# KiCad board LightBlue.kicad_pcb (continued)
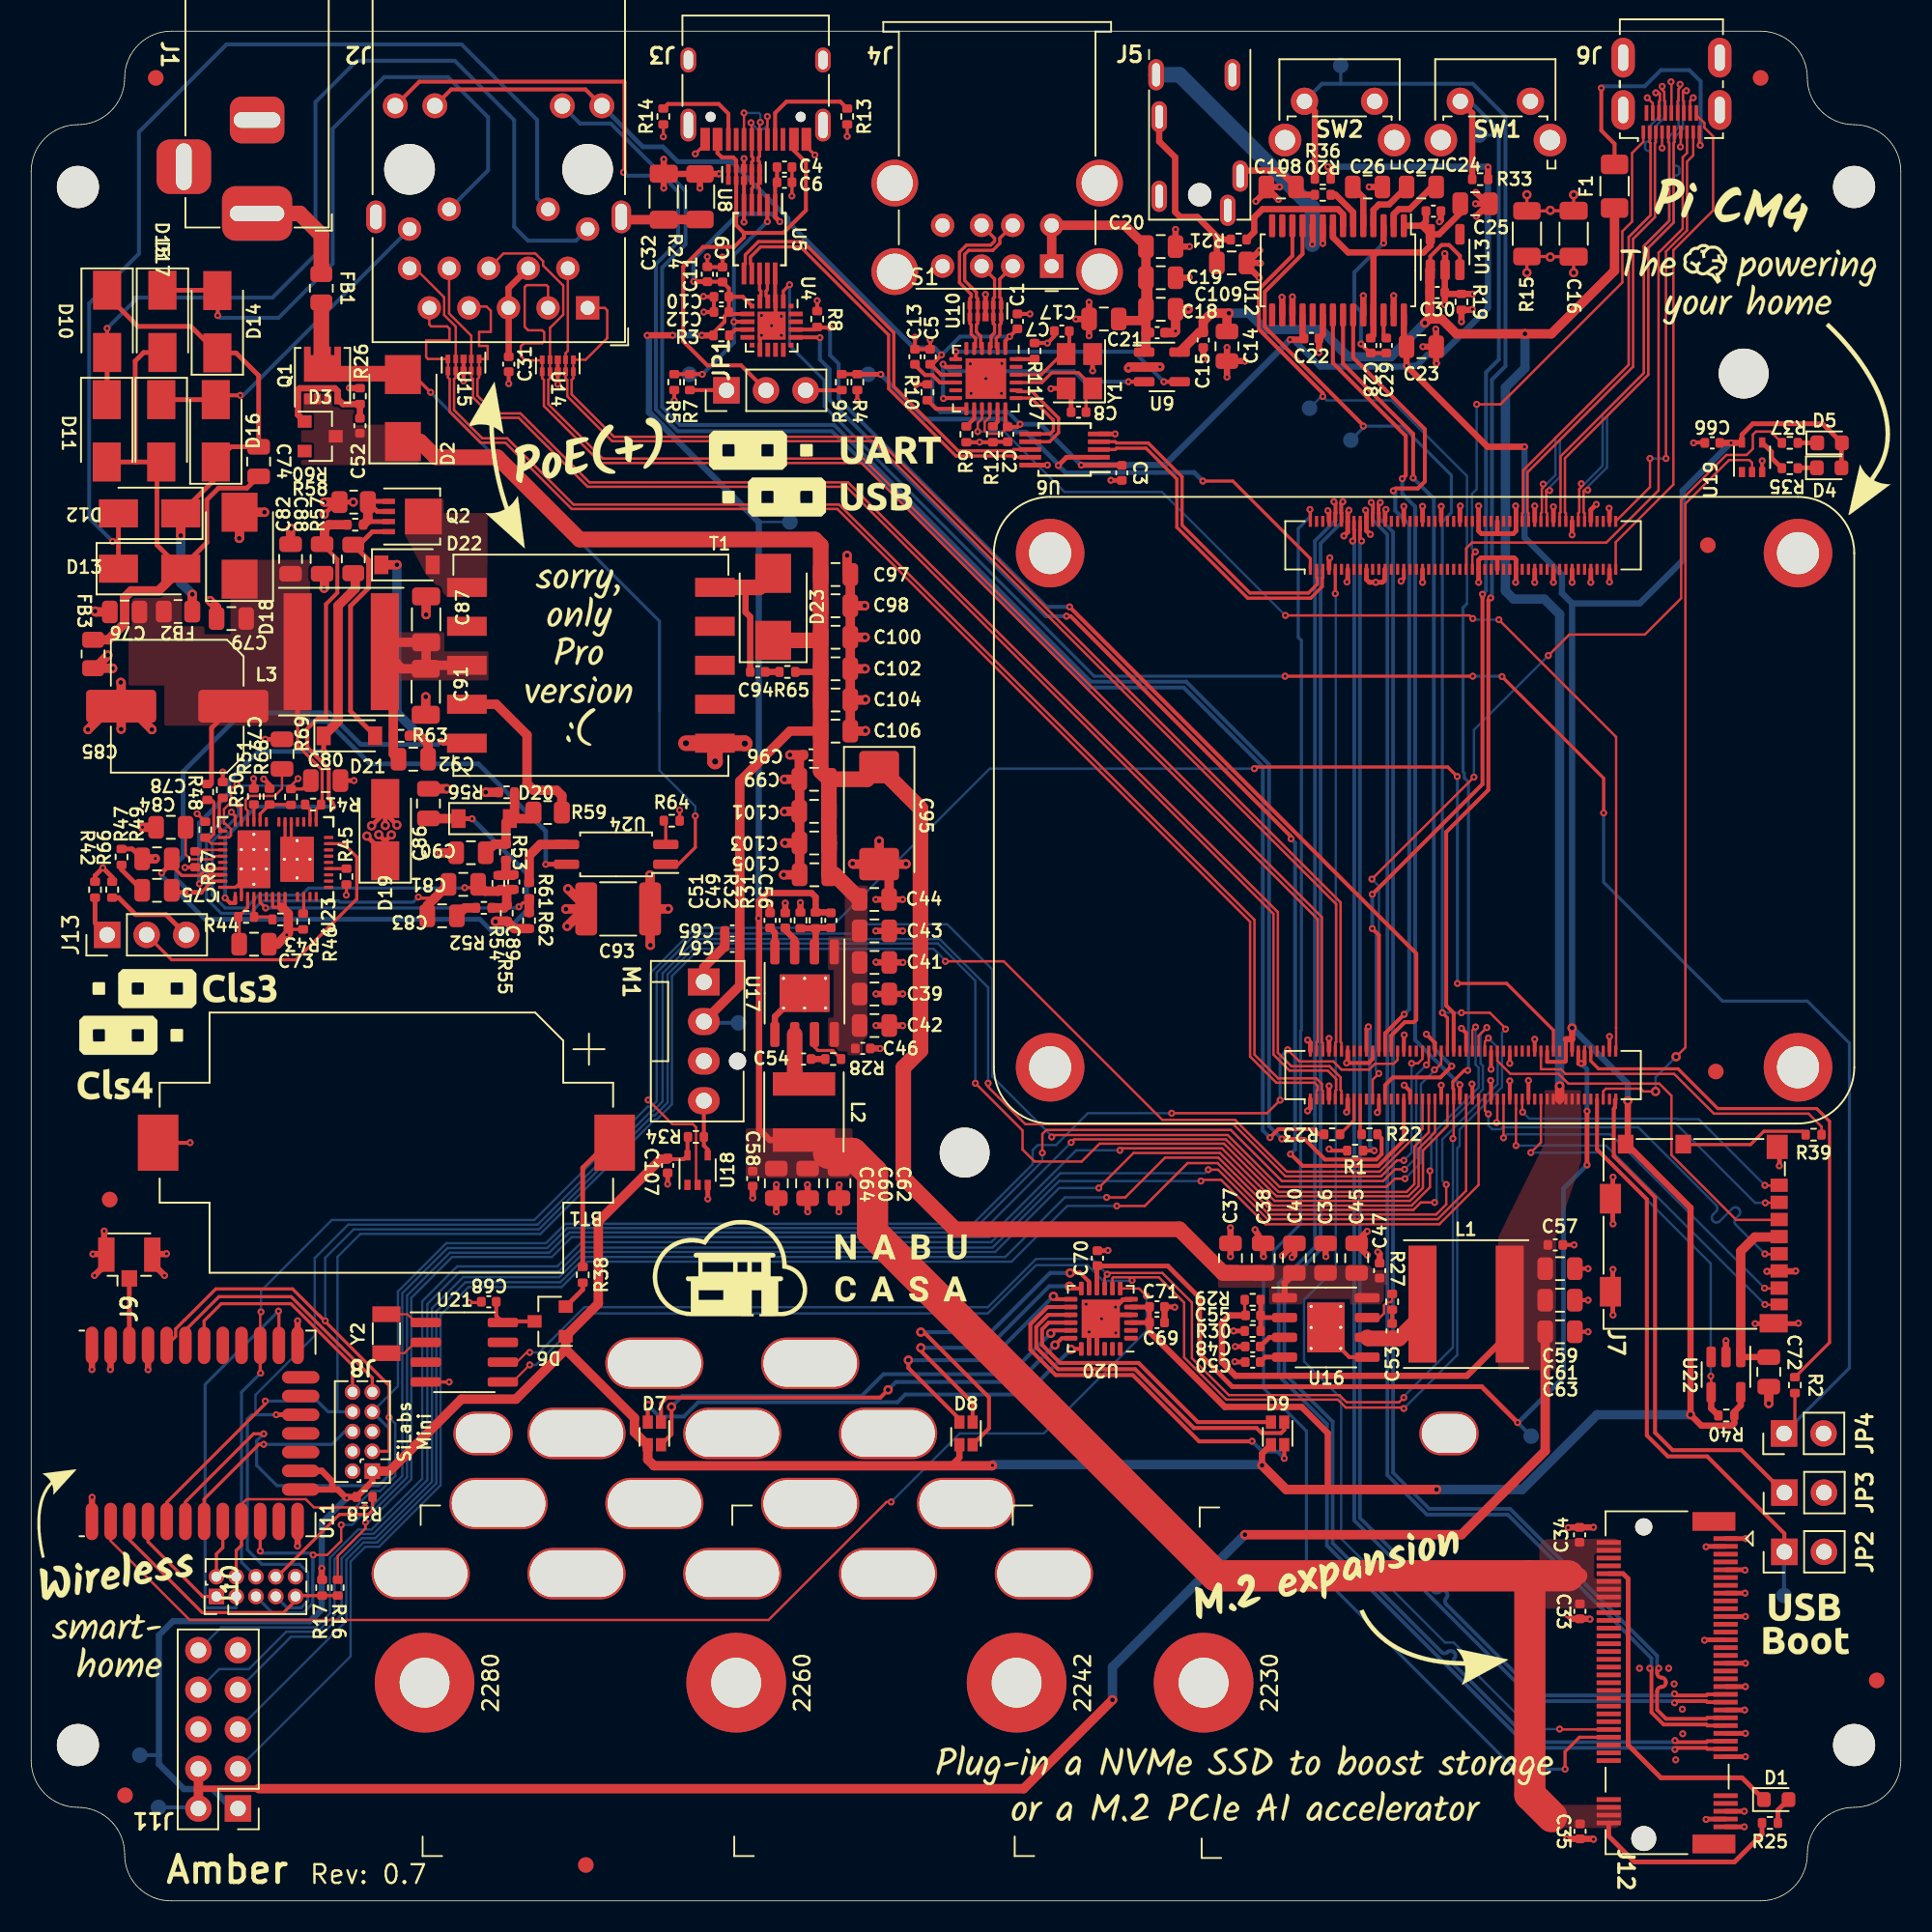
[diagram p0: board, top side]
## Footprints (pads in the part's own frame, mm; a bottom-side part is the same pattern mirrored in y, then rotated) (continued)
  rrect 3.7x2.1 smd: 46(0,1.4)
  rrect 3.7x2.1 smd far side: 46(0,1.4)
  rrect 2.9x2.15 smd: 47(0,-1.375)
  rrect 2.9x2.15 smd far side: 47(0,-1.375)
Transformer_Pulse_PA2467NL
  rect 2.54x1.22 smd: 1(-7.96,-5) 2(-7.96,-2.5) 3(-7.96,0) 4(-7.96,2.5) 5(-7.96,5) 6(7.96,5) 7(7.96,2.5) 8(7.96,0) 9(7.96,-2.5) 10(7.96,-5)
TSSOP-28_4.4x9.7mm_P0.65mm
  rrect 1.475x0.4 smd: 1(-2.862,4.225) 2(-2.862,3.575) 3(-2.862,2.925) 4(-2.862,2.275) 5(-2.862,1.625) 6(-2.862,0.975) 7(-2.862,0.325) 8(-2.862,-0.325) 9(-2.862,-0.975) 10(-2.862,-1.625) 11(-2.862,-2.275) 12(-2.862,-2.925) 13(-2.862,-3.575) 14(-2.862,-4.225) 15(2.862,-4.225) 16(2.862,-3.575) 17(2.862,-2.925) 18(2.862,-2.275) 19(2.862,-1.625) 20(2.862,-0.975) 21(2.862,-0.325) 22(2.862,0.325) 23(2.862,0.975) 24(2.862,1.625) 25(2.862,2.275) 26(2.862,2.925) 27(2.862,3.575) 28(2.862,4.225)
U.FL_Hirose_U.FL-R-SMT-1_Vertical
  rect 1.05x1 smd: 1(-1.05,0)
  rect 2.2x1.05 smd: 2(0.475,1.475) 2(0.475,-1.475)
USB_A_Wuerth_61400826021_Horizontal_Stacked
  rect 1.5x1.5 hole 0.92: 1(0,0)
  round 1.5 hole 0.92: 2(2.5,0) 3(4.5,0) 4(7,0) 5(0,-2.62) 6(2.5,-2.62) 7(4.5,-2.62) 8(7,-2.62)
  round 3 hole 2.3: 9(-3.07,0.35) 9(-3.07,-5.33) 9(10.07,0.35) 9(10.07,-5.33)
USB_C_Receptacle_HRO_TYPE-C-31-M-12
  round 0.65 hole 0.65 unplated: (-2.89,2.6) (2.89,2.6)
  rect 0.6x1.45 smd: A1(-3.25,4.045) A4(-2.45,4.045) A9(2.45,4.045) A12(3.25,4.045) B1(3.25,4.045) B4(2.45,4.045) B9(-2.45,4.045) B12(-3.25,4.045)
  rect 0.3x1.45 smd: A5(-1.25,4.045) A6(-0.25,4.045) A7(0.25,4.045) A8(1.25,4.045) B5(1.75,4.045) B6(0.75,4.045) B7(-0.75,4.045) B8(-1.75,4.045)
  oval 1x2.1 hole 0.6x1.7: S1(-4.32,3.13) S1(4.32,3.13)
  oval 1x1.6 hole 0.6x1.2: S1(-4.32,-1.05) S1(4.32,-1.05)
USON-10_2.5x1.0mm_P0.5mm
  rect 0.55x0.3 smd: 1(-0.385,1) 2(-0.385,0.5) 4(-0.385,-0.5) 5(-0.385,-1) 6(0.385,-1) 7(0.385,-0.5) 9(0.385,0.5) 10(0.385,1)
  rect 0.55x0.4 smd: 3(-0.385,0) 8(0.385,0)
WQFN-24-1EP_4x4mm_P0.5mm_EP2.45x2.45mm
  rrect 0.99x0.99 smd: (-0.61,0.61) (-0.61,-0.61) (0.61,0.61) (0.61,-0.61)
  rrect 0.875x0.3 smd: 1(-1.938,1.25) 2(-1.938,0.75) 3(-1.938,0.25) 4(-1.938,-0.25) 5(-1.938,-0.75) 6(-1.938,-1.25) 13(1.938,-1.25) 14(1.938,-0.75) 15(1.938,-0.25) 16(1.938,0.25) 17(1.938,0.75) 18(1.938,1.25)
  rrect 0.3x0.875 smd: 7(-1.25,-1.938) 8(-0.75,-1.938) 9(-0.25,-1.938) 10(0.25,-1.938) 11(0.75,-1.938) 12(1.25,-1.938) 19(1.25,1.938) 20(0.75,1.938) 21(0.25,1.938) 22(-0.25,1.938) 23(-0.75,1.938) 24(-1.25,1.938)
  rect 2.45x2.45 smd: 25(0,0)

## Nets
+1V8: C70.1 TP7.1 U1.88 U1.90 U20.10
+3.3VA: C24.1 C25.1 C28.1 U12.1 U12.8 U12.25 U13.5
+3.3VP: C4.1 C6.1 C9.1 C10.1 C11.1 C12.1 C33.1 C34.1 C35.1 C56.1 C58.1 C60.1 C62.1 C64.1 J12.2 J12.4 J12.12 J12.14 J12.16 J12.18 J12.70 J12.72 J12.74 L2.2 R3.1 R25.1 R31.2 TP10.1 U4.6 U4.7 U5.1
+3V3: C1.1 C2.1 C3.1 C5.1 C22.1 C23.1 C66.1 C69.1 C71.1 C107.1 D4.2 D5.2 D6.1 D7.4 D8.4 D9.4 J2.15 J2.17 J7.10 J8.1 J11.1 R17.2 R18.2 R33.2 R34.2 R36.2 R40.1 TP6.1 U1.78 U1.84 U1.86 U6.1 U7.1 U7.9 U7.16 U7.18 U11.13 U11.14 U12.18 U12.28 U18.5 U19.5 U20.3 U20.5 U22.5
+5V: C14.2 C15.2 C30.1 C55.1 C57.1 C59.1 C61.1 C63.1 F1.1 J11.2 J11.4 L1.2 R29.2 TP9.1 U1.77 U1.79 U1.81 U1.83 U1.85 U1.87 U9.5 U13.1 U13.3
+12V: C36.1 C37.1 C38.1 C39.1 C40.1 C41.1 C42.1 C43.1 C44.1 C45.1 C46.1 C47.1 C52.1 C65.1 C67.1 C95.1 C96.1 C97.1 C98.1 C99.1 C100.1 C101.1 C102.1 C103.1 C104.1 C105.1 C106.1 D2.1 D3.1 D23.1 M1.2 Q1.1 Q1.2 Q1.3 R65.2 TP8.1 U16.1 U16.8 U17.1 U17.8
+48V: C76.1 C79.1 C82.1 C85.1 D18.1 FB2.2 L3.1 R41.1 R48.1 U23.23 U24.4
/PoE/VCC: C84.1 C86.1 D20.1 U23.42
/USB/VBUS_{IN}: J3.A4 J3.A9 J3.B4 J3.B9 JP1.2 U8.4 U8.7
/USB/VBUS_{OUT}: C17.1 C18.1 C19.1 C20.1 C21.1 J4.1 J4.5 U9.1
GND: BT1.2 C1.2 C2.2 C3.2 C4.2 C5.2 C6.2 C7.2 C8.2 C9.2 C10.2 C11.2 C12.2 C13.2 C14.1 C15.1 C16.2 C17.2 C18.2 C19.2 C20.2 C21.2 C22.2 C23.2 C31.1 C32.2 C33.2 C34.2 C35.2 C36.2 C37.2 C38.2 C39.2 C40.2 C41.2 C42.2 C43.2 C44.2 C45.2 C46.2 C47.2 C48.2 C49.2 C50.2 C51.2 C57.2 C58.2 C59.2 C60.2 C61.2 C62.2 C63.2 C64.2 C65.2 C66.2 C67.2 C68.2 C69.2 C70.2 C71.2 C72.2 C93.2 C95.2 C96.2 C97.2 C98.2 C99.2 C100.2 C101.2 C102.2 C103.2 C104.2 C105.2 C106.2 C107.2 J1.2 J3.A1 J3.A12 J3.B1 J3.B12 J4.4 J4.8 J6.4 J6.7 J6.10 J6.13 J6.16 J7.6 J7.11 J8.2 J9.2 J10.10 J11.6 J11.9 J12.1 J12.3 J12.9 J12.15 J12.21 J12.27 J12.33 J12.39 J12.45 J12.51 J12.57 J12.71 J12.73 J12.75 JP2.2 JP3.2 JP4.2 M1.1 R1.1 R4.2 R5.2 R8.1 R9.1 R10.1 R11.1 R12.1 R13.1 R14.1 R15.1 R19.2 R24.1 R26.2 R30.1 R32.1 R64.2 SW1.2 SW2.2 T1.10 U1.1 U1.2 U1.7 U1.8 U1.13 U1.14 U1.22 U1.23 U1.32 U1.33 U1.42 U1.43 U1.52 U1.53 U1.59 U1.60 U1.65 U1.66 U1.71 U1.74 U1.98 U1.107 U1.108 U1.113 U1.114 U1.119 U1.120 U1.125 U1.126 U1.131 U1.132 U1.137 U1.138 U1.144 U1.150 U1.155 U1.156 U1.161 U1.162 U1.167 U1.168 U1.173 U1.174 U1.179 U1.180 U1.185 U1.186 U1.191 U1.192 U1.197 U1.198 U4.3 U4.12 U4.21 U5.5 U5.10 U6.5 U6.10 U7.25 U8.3 U8.8 U9.2 U10.3 U10.8 U11.1 U11.12 U11.20 U11.28 U11.30 U11.31 U12.16 U12.17 U12.20 U12.24 U12.27 U14.3 U14.8 U15.3 U15.8 U17.5 U17.9 U18.3 U19.3 U20.4 U20.6 U20.20 U20.21 U20.25 U21.4 U22.2 Y1.2 Y1.4
GND1: C73.2 C77.1 C78.2 C80.2 C82.2 C84.2 C85.2 C86.2 C87.2 C88.2 C90.2 C91.2 C93.1 D19.1 R43.1 R46.1 R47.2 R49.2 R50.2 R51.2 R55.2 R56.2 R60.2 R62.2 R67.2 R68.2 U23.2 U23.7 U23.8 U23.9 U23.45 U23.46
GNDA: C24.2 C25.2 C26.2 C28.2 C29.1 C30.2 C108.1 C109.2 J5.S R19.1 U12.3 U12.9 U12.10 U13.2
VSS: C76.2 C79.2 D18.2 D19.2 FB3.2 R42.1 R45.1 R66.1 U23.27 U23.28 U23.47
/802.15.4 Radio/PA00: J10.1 U11.4
/802.15.4 Radio/PA04: J10.2 U11.8
/802.15.4 Radio/PB00: J10.9 R16.2 R17.1 U11.3
/802.15.4 Radio/PC00: J10.3 U11.21
/802.15.4 Radio/PTI_DATA: J8.10 U11.25
/802.15.4 Radio/PTI_FRAME: J8.9 U11.26
/802.15.4 Radio/Radio.CTS: J10.6 U1.44 U11.22
/802.15.4 Radio/Radio.RTS: J10.7 U1.38 U11.17
/802.15.4 Radio/Radio.RXD: J10.4 U1.40 U11.9
/802.15.4 Radio/Radio.SWCLK: J8.8 U1.37 U11.5
/802.15.4 Radio/Radio.SWDIO: J8.7 U1.30 U11.6
/802.15.4 Radio/Radio.SWO: J8.6 U11.7
/802.15.4 Radio/Radio.TXD: J10.5 U1.39 U11.10
/802.15.4 Radio/Radio.~{BOOT}: R16.1 U1.45
/802.15.4 Radio/Radio.~{RESET}: J8.3 J10.8 R18.1 U1.41 U11.27
/802.15.4 Radio/RF_SIGNAL: J9.1 U11.29
/802.15.4 Radio/~{LED_RADIO}: U11.2 U20.7
/Audio/I2S.CLK: U1.49 U12.21
/Audio/I2S.DIN: U1.25 U12.22
/Audio/I2S.FS: U1.26 U12.23
/CM4/CM4_DBG.RX: R8.2 U1.28 U4.18
/CM4/CM4_DBG.TX: U1.31 U4.17
/CM4/CM4_USB_D+: U1.105 U6.3
/CM4/CM4_USB_D-: U1.103 U6.4
/CM4/CM4_USB_OTG_ID: R4.1 R6.2 TP3.1 U1.101 U6.2
/CM4/ETH.LED_GREEN: R22.1 U1.17
/CM4/ETH.LED_YELLOW: R23.1 U1.15
/CM4/ETH.TD1+: J2.1 U1.12 U14.1 U14.10
/CM4/ETH.TD1-: J2.2 U1.10 U14.2 U14.9
/CM4/ETH.TD2+: J2.3 U1.4 U14.5 U14.6
/CM4/ETH.TD2-: J2.6 U1.6 U14.4 U14.7
/CM4/ETH.TD3+: J2.7 U1.11 U15.1 U15.10
/CM4/ETH.TD3-: J2.8 U1.9 U15.2 U15.9
/CM4/ETH.TD4+: J2.9 U1.3 U15.5 U15.6
/CM4/ETH.TD4-: J2.10 U1.5 U15.4 U15.7
/CM4/GLOBAL_EN: JP3.1 U1.99
/CM4/GPIO2: J11.3 U1.58
/CM4/GPIO3: J11.5 U1.56
/CM4/GPIO4: J11.7 U1.54
/CM4/GPIO14: J11.8 U1.55
/CM4/GPIO15: J11.10 U1.51
/CM4/HDMI.CEC: J6.15 U1.151
/CM4/HDMI.CLK+: J6.12 U1.188
/CM4/HDMI.CLK-: J6.14 U1.190
/CM4/HDMI.D0+: J6.9 U1.182
/CM4/HDMI.D0-: J6.11 U1.184
/CM4/HDMI.D1+: J6.6 U1.176
/CM4/HDMI.D1-: J6.8 U1.178
/CM4/HDMI.D2+: J6.3 U1.170
/CM4/HDMI.D2-: J6.5 U1.172
/CM4/HDMI.HPD: J6.1 U1.153
/CM4/HDMI.SCL: J6.17 U1.200
/CM4/HDMI.SDA: J6.18 U1.199
/CM4/PCIe.CLK+: J12.55 U1.110
/CM4/PCIe.CLK-: J12.53 U1.112
/CM4/PCIe.RX+: J12.43 U1.116
/CM4/PCIe.RX-: J12.41 U1.118
/CM4/PCIe.TX+: J12.49 U1.122
/CM4/PCIe.TX-: J12.47 U1.124
/CM4/PCIe.~{CLKREQ}: J12.52 U1.102
/CM4/PCIe.~{RST}: J12.50 U1.109
/CM4/RESET_CM4: JP4.1 R2.2 U4.2
/CM4/RUN_PG: R2.1 U1.92
/CM4/SD.CLK: J7.5 U1.57
/CM4/SD.CMD: J7.3 U1.62
/CM4/SD.D0: J7.7 U1.63
/CM4/SD.D1: J7.8 U1.67
/CM4/SD.D2: J7.1 U1.69
/CM4/SD.D3: J7.2 U1.61
/CM4/SD.DET: R39.2 U1.76
/CM4/SD.PWR: R40.2 U1.75 U22.4
/CM4/~{EXTRST}: U1.100 U7.15
/CM4/~{FAN_PWM}: U1.80 U18.2
/CM4/~{LED_ACT}: R37.2 U1.21
/CM4/~{LED_PWR}: U1.95 U19.2
/CM4/~{RPI_BOOT}: JP2.1 TP1.1 U1.93
/CM4/~{SW_USER}: R33.1 SW1.1 TP4.1 U1.24
/CM4/~{SW_WIPE}: R36.1 SW2.1 TP5.1 U1.48
/Ethernet/ETH_SHLD: C32.1 J2.SH R24.2
/Ethernet/VC1: D10.2 D11.1 J2.11
/Ethernet/VC2: D12.2 D13.1 J2.12
/Ethernet/VC3: D14.2 D15.1 J2.13
/Ethernet/VC4: D16.2 D17.1 J2.14
/PoE/APD: R61.2 R62.1 U23.5
/PoE/CLS: J13.2 U23.21
/PoE/COMP: C81.2 C83.2 U23.35
/PoE/CP: C75.1 T1.1 U23.44
/PoE/CS: C88.1 R58.1 U23.1
/PoE/DC_IN_F: D2.2 FB1.2 Q1.5 U24.1
/PoE/DTHR: C73.1 R44.1 U23.3
/PoE/FB: C81.1 C89.2 R52.1 R54.2 R55.1 U23.34
/PoE/LINEUV: R48.2 R49.1 U23.38
/PoE/N1A: D22.2 Q2.5 T1.5
/PoE/N1B: C87.1 C91.1 C92.2 L3.2 R63.1 T1.3
/PoE/V_{REG}: C90.1 D20.2 R53.1 R56.1 R59.1
/PoE/VB: C80.1 R69.2 U23.37
/SCL: TP11.1 U1.47 U12.12 U20.9 U21.6
/SDA: TP12.1 U1.46 U12.11 U20.8 U21.5
/SDCard/SD_+3V3: C72.1 J7.4 U22.1
/USB/CP.D+: U4.4 U5.9
/USB/CP.D-: U4.5 U5.8
/USB/HUB.D+: U6.7 U7.20
/USB/HUB.D-: U6.6 U7.19
/USB/MUX2_SEL: R5.1 R7.2 TP2.1 U4.8 U5.2
/USB/OTG.D+: U5.7 U6.9
/USB/OTG.D-: U5.6 U6.8
/USB/USB0.D+: J4.3 U7.3 U10.4 U10.7
/USB/USB0.D-: J4.2 U7.2 U10.5 U10.6
/USB/USB1.D+: J4.7 U7.5 U10.1 U10.10
/USB/USB1.D-: J4.6 U7.4 U10.2 U10.9
/USB/USB-C.D+: J3.A6 J3.B6 U5.3 U8.1 U8.10
/USB/USB-C.D-: J3.A7 J3.B7 U5.4 U8.2 U8.9
/USB/USB_PWR_EN: U7.7 U9.4
/USB/~{USB_OC}: U7.8 U7.12 U9.3
Earth: C16.1 J3.S1 J4.9 J6.SH R15.2
Net-(BT1-Pad1): BT1.1 R38.2
Net-(C7-Pad1): C7.1 U7.22 Y1.3
Net-(C8-Pad1): C8.1 U7.21 Y1.1
Net-(C13-Pad1): C13.1 U7.10
Net-(C26-Pad1): C26.1 U12.5
Net-(C27-Pad1): C27.1 U12.2
Net-(C27-Pad2): C27.2 U12.4
Net-(C29-Pad2): C29.2 U12.26
Net-(C31-Pad2): C31.2 J2.4 J2.5
Net-(C48-Pad1): C48.1 U16.3
Net-(C49-Pad1): C49.1 U17.3
Net-(C50-Pad1): C50.1 U16.4
Net-(C51-Pad1): C51.1 U17.4
Net-(C52-Pad2): C52.2 D3.2 Q1.4 R26.1
Net-(C53-Pad1): C53.1 L1.1 U16.6
Net-(C53-Pad2): C53.2 R27.2
Net-(C54-Pad1): C54.1 L2.1 U17.6
Net-(C54-Pad2): C54.2 R28.2
Net-(C55-Pad2): C55.2 R29.1 R30.2 U16.2
Net-(C56-Pad2): C56.2 R31.1 R32.2 U17.2
Net-(C68-Pad1): C68.1 D6.3 U21.8
Net-(C74-Pad1): C74.1 D10.1 D12.1 D14.1 D16.1 FB2.1
Net-(C74-Pad2): C74.2 D11.2 D13.2 D15.2 D17.2 FB3.1
Net-(C75-Pad2): C75.2 R47.1
Net-(C77-Pad2): C77.2 U23.33
Net-(C78-Pad1): C78.1 U23.40
Net-(C83-Pad1): C83.1 R52.2
Net-(C89-Pad1): C89.1 R53.2 R54.1
Net-(C92-Pad1): C92.1 D22.1 R63.2
Net-(C94-Pad1): C94.1 D23.2 T1.6
Net-(C94-Pad2): C94.2 R65.1
Net-(C108-Pad2): C108.2 J5.T R20.2
Net-(C109-Pad1): C109.1 J5.R1 R21.2
Net-(D1-Pad1): D1.1 J12.10
Net-(D1-Pad2): D1.2 R25.2
Net-(D4-Pad1): D4.1 R35.1
Net-(D5-Pad1): D5.1 R37.1
Net-(D6-Pad2): D6.2 R38.1
Net-(D7-Pad1): D7.1 U20.19
Net-(D7-Pad2): D7.2 U20.18
Net-(D7-Pad3): D7.3 U20.17
Net-(D8-Pad1): D8.1 U20.13
Net-(D8-Pad2): D8.2 U20.12
Net-(D8-Pad3): D8.3 U20.11
Net-(D9-Pad1): D9.1 U20.16
Net-(D9-Pad2): D9.2 U20.15
Net-(D9-Pad3): D9.3 U20.14
Net-(D21-Pad1): D21.1 R57.1 U23.43
Net-(D21-Pad2): D21.2 Q2.4 R57.2
Net-(F1-Pad2): F1.2 J6.19
Net-(FB1-Pad1): FB1.1 J1.1
Net-(J2-Pad16): J2.16 R22.2
Net-(J2-Pad18): J2.18 R23.2
Net-(J3-PadA5): J3.A5 R13.2
Net-(J3-PadB5): J3.B5 R14.2
Net-(J7-Pad9): J7.9 R39.1
Net-(J13-Pad1): J13.1 R42.2
Net-(J13-Pad3): J13.3 R66.2
Net-(JP1-Pad1): JP1.1 R7.1
Net-(JP1-Pad3): JP1.3 R6.1
Net-(M1-Pad4): M1.4 R34.1 U18.4
Net-(Q2-Pad1): Q2.1 Q2.2 Q2.3 R58.2 R60.1
Net-(R1-Pad2): R1.2 U1.20
Net-(R3-Pad2): R3.2 U4.9
Net-(R9-Pad2): R9.2 U7.14
Net-(R10-Pad2): R10.2 U7.13
Net-(R11-Pad2): R11.2 U7.24
Net-(R12-Pad2): R12.2 U7.17
Net-(R20-Pad1): R20.1 U12.6
Net-(R21-Pad1): R21.1 U12.7
Net-(R27-Pad1): R27.1 U16.7
Net-(R28-Pad1): R28.1 U17.7
Net-(R35-Pad2): R35.2 U19.4
Net-(R41-Pad2): R41.2 U23.24
Net-(R43-Pad2): R43.2 R44.2 U23.4
Net-(R45-Pad2): R45.2 U23.17
Net-(R46-Pad2): R46.2 U23.11
Net-(R50-Pad1): R50.1 U23.36
Net-(R51-Pad1): R51.1 U23.32
Net-(R59-Pad2): R59.2 T1.2
Net-(R61-Pad1): R61.1 U24.3
Net-(R64-Pad1): R64.1 U24.2
Net-(R67-Pad1): R67.1 U23.39
Net-(R68-Pad1): R68.1 R69.1 U23.31
Net-(U16-Pad5): U16.5 U16.9
Net-(U21-Pad1): U21.1 Y2.1
Net-(U21-Pad2): U21.2 Y2.2

Pads without a net: J1 3; J3 A8 B8; J5 R1N R2 TN; J6 2; J8 4 5; J12 5 6 7 8 11 13 17 19 20 22 23 24 25 26 28 29 30 31 32 34 35 36 37 38 40 42 44 46 48 54 56 58 67 68 69 MP; M1 3; T1 4 7 8 9; U1 16 18 19 27 29 34 35 36 50 64 68 70 72 73 82 89 91 94 96 97 104 106 111 115 117 121 123 127 128 129 130 133 134 135 136 139 140 141 142 143 145 146 147 148 149 152 154 157 158 159 160 163 164 165 166 169 171 175 177 181 183 187 189 193 194 195 196; U4 1 10 11 13 14 15 16 19 20; U7 6 11 23; U8 5 6; U11 11 15 16 18 19 23 24; U12 13 14 15 19; U13 4; U18 1; U19 1; U20 1 2 22 23 24; U21 3 7; U22 3; U23 6 10 12 13 14 15 16 18 19 20 22 25 26 29 30 41

## Via types
v1: diameter 0.6, hole 0.3, Top to Bottom, 83 vias
v2: diameter 0.45, hole 0.2, Top to Bottom, 454 vias
v3: diameter 0.8, hole 0.4, Top to Bottom, 3 vias

## Routing (per net, layer and track width the routed paths; a pad name or vN(x,y) marks a point on that pad's centre or on a via; arc(x,y) is an arc through that point)
+1V8: length 63.1
  Top w0.25: U1.90 99.7,53.72 99.3,53.72 U1.88
  Top w0.3: U20.10 68.4,40.73 C70.1 68.45,40.75 72.95,40.75 75,38.7 75,35.09 77.09,33 93.1,33 v2(95.4,30.7) ; v2(99.86,47.23) v2(99.86,50.68)
  Bottom w0.25: TP7.1 95.44,30.66 95.44,30.69
  Bottom w0.3: v2(99.49,53.74) 99.86,53.37 v2(99.86,50.68) ; v2(99.86,47.23) 98.35,45.72 98.35,33.6 95.44,30.69 95.42,30.7 v2(95.4,30.7)
+3.3VA: length 20
  Top w0.4: C24.1 89.52,107.78 89.25,107.51 ; 86.35,105.8 89.38,105.8 89.83,106.25 89.8,106.28 U13.5 ; 86.35,105.8 86.15,105.6 U12.25 86.15,100.48 C28.1 ; 86.35,105.8 84.53,105.8 83.55,106.78 U12.8 ; U13.5 90.36,106.96 91.72,108.33 C25.1 ; U13.5 89.25,107.51 ; 89.25,107.51 U12.1
+3.3VP: length 181.9
  Top w0.25: C11.1 44.36,103.92 C9.1 44.78,103.5 C10.1 ; C4.1 C6.1 47.75,110.18 U5.1 ; R3.1 43.79,100.64 44.5,101.35 44.5,101.69 C12.1 ; C10.1 45.67,102.95 U4.6 ; C10.1 C12.1 ; C12.1 44.91,101.85 U4.7
  Top w0.3: v2(42.53,103.92) 43.39,103.92 C11.1 ; U5.1 47.75,108.08 v2(48.05,107.78) ; R25.1 111.09,4.27 109.32,2.5 102.9,2.5 101.25,4.15 J12.74
  Top w0.4: v2(39.54,100.47) 39.55,100.48 v2(41.17,100.48) ; C56.1 51.3,63.44 R31.2 50.35,64.42 50.09,64.68 47.23,64.68 46.72,64.17 46.72,49.52 47.41,48.83 L2.2 ; v2(43.05,100.48) 43.06,100.47 R3.1
  Top w1: 98.66,20.86 99.38,20.86
  Top w2: 96.19,20.86 96.19,6.81 97.6,5.4 ; 96.19,20.86 76.04,20.86 54,42.9 54,46.67 52.7,47.97 51.17,47.97 ; 96.19,20.86 98.66,20.86
  Bottom w0.15: TP10.1 46.71,88.5 46.7,88.49 46.69,88.5
  Bottom w0.3: v2(42.53,103.92) 42.53,105.39 45.41,108.28 47.55,108.28 v2(48.05,107.78)
  Bottom w0.4: v2(43.05,100.48) v2(41.17,100.48) ; v2(46.69,63.06) 46.7,63.06 46.7,88.49 39.65,95.54 39.65,100.36 v2(39.54,100.47)
+3V3: length 448.5
  Top w0.15: U7.16 61.53,95.24 61.2,94.91 61.2,94.36 61.39,94.16 62.23,94.16 C2.1
  Top w0.25: R34.2 42.12,49 U18.5 41.88,47.6 40.85,47.6 ; C1.1 v2(62.8,100.4) 62.53,100.12 U7.1 ; 57.73,98.62 58.4,97.95 U7.9 ; J2.17 26.96,116.26 35.58,116.26 J2.15 ; C5.1 57.82,98.62 v2(58.42,99.22) ; v2(63.47,94.78) 63.31,94.6 C2.1 62.53,94.75 U7.18 ; 98.5,55.3 U1.84 98.5,53.9 98.45,53.85 97.3,53.85 U1.78 ; 98.9,55.3 U1.86
  Top w0.3: U20.5 71.77,38.11 C71.1 C69.1 71.77,37.11 U20.3 ; D4.2 116.19,93.55 D5.2 114.99,94.8 110.5,94.8 109.8,94.1 U19.5 ; v2(67.4,92.15) U6.1 69.98,92.15 C3.1
  Top w0.4: C69.1 71.78,36.53 76.61,31.7 81.54,31.7 83.22,30.02 83.22,26.4 ; C69.1 71.83,37.07 ; C69.1 71.76,37.1 ; 39.95,27.95 59.08,27.95 ; 59.08,27.95 59.58,28.45 D8.4 ; 59.08,27.95 v2(61.7,27.95) ; 19.33,26.4 19.33,26.92 18.65,27.6 U11.14 ; 19.33,26.4 U11.13 ; 19.33,26.4 19.67,26.4 20.23,25.85 v2(20.25,25.85) 20.33,25.92 R18.2 21.9,26.93 J8.1 ; 109.78,93.58 v2(109.1,93.58) C66.1 ; R17.2 18.65,20.63 v2(18.65,21.35) ; U22.5 109.72,31.8 109.31,31.39 R40.1 109.31,30.66 109.15,30.5 107.2,30.5 v1(106.5,31.2) 106.5,44.47 102.47,48.5 v1(102.47,51.35) ; R33.2 93.51,111.27 v2(93.5,111.28) ; U12.18 81.6,100.37 C22.1 81.62,100.2 v2(80.8,100.2) ; v2(83.22,111.3) 83.41,111.12 R36.2 ; v1(98.9,56.03) 98.9,55.3 98.5,55.3 ; D9.4 79,28.7 v1(79,27.95) ; v2(95.85,93.33) 93.47,93.33 v2(88.28,98.53) 88.28,99.75 88.1,99.92 U12.28
  Top w0.6: 34.31,35.4 D6.1 36.4,38.33 36.4,43.6 40.4,47.6 40.85,47.6 ; 34.31,35.4 31.11,32.2 27.62,32.2 22.99,27.58 J8.1 ; 34.31,35.4 38.72,30.99 38.72,30.08 39.53,29.28 D7.4 39.58,28.33 39.98,27.92 61.67,27.92 v2(61.7,27.95) ; v1(79,27.95) 80.55,26.4 v1(90.2,26.4)
  Bottom w0.25: v2(62.8,100.4) 59.62,100.4 58.44,99.22 v2(58.42,99.22) 57.85,98.65 57.85,96.05 58.35,95.55 62.7,95.55 v2(63.47,94.78) ; TP6.1 8.17,9.35 8.2,9.38
  Bottom w0.3: v2(67.4,92.15) 64.78,94.78 v2(63.47,94.78) ; v2(58.42,99.22) 57.97,99.67 56.66,99.67 48.58,107.75 48.58,107.98 44.94,111.62 41.49,111.62 40.54,112.58 39.27,112.58 J2.15
  Bottom w0.4: 98.9,83.28 98.25,83.92 98.25,85.1 95.85,87.5 v2(95.85,93.33) ; 98.9,83.28 v1(98.9,56.03) 102.47,52.45 v1(102.47,51.35) ; 98.9,83.28 103.25,83.28 106,86.03 106,90.5 109.07,93.58 v2(109.1,93.58) ; J11.1 12.9,5.93 11.65,7.18 9.8,7.18 8.2,8.78 8.2,17.05 9.1,17.95 17.9,17.95 18.65,18.7 v2(18.65,21.35) 18.65,24.25 v2(20.25,25.85) ; v2(67.4,92.15) 67.4,92.15 72.75,92.15 v2(80.8,100.2) 81.01,100.2 82.74,98.47 88.22,98.47 v2(88.28,98.53) 88.92,98.53 89.62,99.23 90.49,99.23 93.5,102.23 v2(93.5,111.28) 93.47,111.3 v2(83.22,111.3) ; v2(61.7,27.95) 61.73,27.92 ; 78.97,27.92 v1(79,27.95)
  Bottom w0.6: v1(106.5,31.2) 100.5,31.2 95.7,26.4 v1(90.2,26.4) ; v2(61.7,27.95) 61.75,28 78.95,28 v1(79,27.95)
